# Allegro board 8880F5-0823_RXTX.brd (continued)
## Placement (name value [footprint] x y rotation side) (continued)
NOREF#889  -  []  416.03 179.42 90 top
NOREF#890  -  []  172.08 275.14 90 top
NOREF#891  -  []  166.06 230.19 90 top
NOREF#892  -  []  470.79 128.27 0 top
NOREF#893  -  []  460.93 191.31 90 top
NOREF#894  -  []  308.91 152.34 0 top
NOREF#895  -  []  115.99 130.36 90 top
NOREF#896  -  []  253.4 205.56 90 top
NOREF#897  -  []  385.61 208.66 90 top
NOREF#898  -  []  184.47 233.47 90 top
NOREF#899  -  []  351.04 242.96 0 top
NOREF#900  -  []  317.57 209.63 90 top
NOREF#901  -  []  343.63 223.82 90 top
NOREF#902  -  []  352.55 241.37 0 top
NOREF#903  -  []  383.09 241.11 0 top
NOREF#904  -  []  397.3 209.36 0 top
NOREF#905  -  []  175.7 216.45 90 top
NOREF#906  -  []  415.1 163.64 0 top
NOREF#907  -  []  412.62 249.11 0 top
NOREF#908  -  []  456.04 179.06 0 top
NOREF#909  -  []  352.93 288.86 90 top
NOREF#910  -  []  251.22 193.63 0 top
NOREF#911  -  []  275.3 155.38 0 top
NOREF#912  -  []  313.56 144.34 90 top
NOREF#913  -  []  337.9 186.99 0 top
NOREF#914  -  []  184.47 215.35 90 top
NOREF#915  -  []  217.71 216.09 0 top
NOREF#916  -  []  398.65 289.12 0 top
NOREF#917  -  []  230.73 189.2 0 top
NOREF#918  -  []  253.33 241.33 90 top
NOREF#919  -  []  192.47 175.56 90 top
NOREF#920  -  []  337.09 163.52 90 top
NOREF#921  -  []  107.02 179.19 0 top
NOREF#922  -  []  339.89 288.41 90 top
NOREF#923  -  []  259.97 204.35 90 top
NOREF#924  -  []  333.4 205.55 0 top
NOREF#925  -  []  482.64 192.46 90 top
NOREF#926  -  []  184.47 219.75 90 top
NOREF#927  -  []  290.11 280.1 0 top
NOREF#928  -  []  405.93 256.82 90 top
NOREF#929  -  []  303.84 288.86 0 top
NOREF#930  -  []  336.45 164.74 0 top
NOREF#931  -  []  238.3 163.52 90 top
NOREF#932  -  []  235.85 288.61 90 top
NOREF#933  -  []  367.73 274.38 90 top
NOREF#934  -  []  263.2 172.26 90 top
NOREF#935  -  []  314.33 228.13 90 top
NOREF#936  -  []  117.33 247.35 90 top
NOREF#937  -  []  284.79 272.65 90 top
NOREF#938  -  []  334.29 265.56 90 top
NOREF#939  -  []  259.65 264.65 90 top
NOREF#940  -  []  330.74 224.74 0 top
NOREF#941  -  []  107.18 246.83 90 top
NOREF#942  -  []  423.61 182.42 90 top
NOREF#943  -  []  351.34 189.5 0 top
NOREF#944  -  []  463.61 179.15 0 top
NOREF#945  -  []  330.17 223.82 90 top
NOREF#946  -  []  387.08 154.88 0 top
NOREF#947  -  []  240.94 211.63 90 top
NOREF#948  -  []  310.73 189.2 0 top
NOREF#949  -  []  308.36 262.16 45 top
NOREF#950  -  []  184.47 260.9 90 top
NOREF#951  -  []  331.62 205.55 0 top
NOREF#952  -  []  75.98 290.38 90 top
NOREF#953  -  []  378.33 224.6 90 top
NOREF#954  -  []  336.77 163.82 90 top
NOREF#955  -  []  411.52 146.43 90 top
NOREF#956  -  []  127.7 231.22 0 top
NOREF#957  -  []  456.08 186.77 0 top
NOREF#958  -  []  260.83 174.63 90 top
NOREF#959  -  []  175.7 205.19 90 top
NOREF#960  -  []  310.41 183.09 90 top
NOREF#961  -  []  317.98 163.82 90 top
NOREF#962  -  []  229.21 253.37 0 top
NOREF#963  -  []  247.25 204.35 90 top
NOREF#964  -  []  200.98 258.7 90 top
NOREF#965  -  []  351.34 243.91 0 top
NOREF#966  -  []  301.95 290.13 90 top
NOREF#967  -  []  314.55 286.96 0 top
NOREF#968  -  []  298.13 214.06 90 top
NOREF#969  -  []  234.7 298.51 0 top
NOREF#970  -  []  451.64 179.06 0 top
NOREF#971  -  []  314.33 168.13 90 top
NOREF#972  -  []  419.9 240.56 90 top
NOREF#973  -  []  399.64 144.98 0 top
NOREF#974  -  []  250.17 225.04 90 top
NOREF#975  -  []  415.61 179.97 0 top
NOREF#976  -  []  351.34 249.5 0 top
NOREF#977  -  []  124.35 222.33 0 top
NOREF#978  -  []  103.93 235.64 0 top
NOREF#979  -  []  385.19 232.85 0 top
NOREF#980  -  []  258.2 186.67 0 top
NOREF#981  -  []  304.61 144.34 0 top
NOREF#982  -  []  231.15 219.63 90 top
NOREF#983  -  []  119.99 214.79 0 top
NOREF#984  -  []  302.11 192.14 0 top
NOREF#985  -  []  460.89 217.9 90 top
NOREF#986  -  []  376.23 209.11 0 top
NOREF#987  -  []  352.24 242.32 90 top
NOREF#988  -  []  330.49 163.52 90 top
NOREF#989  -  []  230.83 224.63 0 top
NOREF#990  -  []  352.24 181.05 90 top
NOREF#991  -  []  167.7 165.4 90 top
NOREF#992  -  []  230.73 246.66 0 top
NOREF#993  -  []  230.41 248.88 90 top
NOREF#994  -  []  199.08 254 90 top
NOREF#995  -  []  471.21 211.76 90 top
NOREF#996  -  []  257.9 246.99 0 top
NOREF#997  -  []  342.36 163.82 90 top
NOREF#998  -  []  339.33 204.35 90 top
NOREF#999  -  []  410.52 241.11 0 top
NOREF#1000  -  []  321.82 227.13 90 top
NOREF#1001  -  []  386.33 207.21 90 top
NOREF#1002  -  []  166.06 189.04 90 top
NOREF#1003  -  []  271.82 134.74 90 top
NOREF#1004  -  []  184.47 206.29 90 top
NOREF#1005  -  []  194.09 160.4 90 top
NOREF#1006  -  []  310.73 193.69 0 top
NOREF#1007  -  []  245.15 288.66 90 top
NOREF#1008  -  []  407.77 255.47 0 top
NOREF#1009  -  []  352.25 189.18 90 top
NOREF#1010  -  []  411.99 178.25 90 top
NOREF#1011  -  []  302.11 129.74 0 top
NOREF#1012  -  []  415.61 179.97 90 top
NOREF#1013  -  []  478.57 257.36 90 top
NOREF#1014  -  []  201.23 204.09 90 top
NOREF#1015  -  []  463.61 171.53 0 top
NOREF#1016  -  []  330.73 265.56 0 top
NOREF#1017  -  []  383.73 202.38 90 top
NOREF#1018  -  []  116.27 171.02 0 top
NOREF#1019  -  []  377.23 241.16 90 top
NOREF#1020  -  []  379.48 239.21 90 top
NOREF#1021  -  []  272.25 243.59 90 top
NOREF#1022  -  []  406.19 188.15 0 top
NOREF#1023  -  []  249.13 140.14 0 top
NOREF#1024  -  []  175.7 250.38 90 top
NOREF#1025  -  []  251.06 223.82 90 top
NOREF#1026  -  []  230.73 183.41 0 top
NOREF#1027  -  []  215.96 237.06 0 top
NOREF#1028  -  []  271.04 249.18 0 top
NOREF#1029  -  []  385.19 249.11 0 top
NOREF#1030  -  []  310.43 246.34 0 top
NOREF#1031  -  []  375.22 163.39 0 top
NOREF#1032  -  []  271.34 249.5 0 top
NOREF#1033  -  []  419.9 288.57 90 top
NOREF#1034  -  []  473.79 239.64 0 top
NOREF#1035  -  []  279.27 288.86 0 top
NOREF#1036  -  []  256.77 225.04 90 top
NOREF#1037  -  []  339.33 205.55 0 top
NOREF#1038  -  []  310.43 194.01 0 top
NOREF#1039  -  []  230.43 253.37 0 top
NOREF#1040  -  []  378.33 257.11 90 top
NOREF#1041  -  []  251.06 165.04 90 top
NOREF#1042  -  []  415.61 181.32 90 top
NOREF#1043  -  []  327.25 265.56 0 top
NOREF#1044  -  []  369.38 241.11 0 top
NOREF#1045  -  []  379 272.56 90 top
NOREF#1046  -  []  351.04 184.23 0 top
NOREF#1047  -  []  390.53 188.15 0 top
NOREF#1048  -  []  249.15 296.86 0 top
NOREF#1049  -  []  259.33 205.55 0 top
NOREF#1050  -  []  310.73 187.93 0 top
NOREF#1051  -  []  387.08 188.15 0 top
NOREF#1052  -  []  405.93 256.92 90 top
NOREF#1053  -  []  451.68 171.53 0 top
NOREF#1054  -  []  175.8 147.18 90 top
NOREF#1055  -  []  295.96 237.06 0 top
NOREF#1056  -  []  379.48 255.21 90 top
NOREF#1057  -  []  237.66 164.74 0 top
NOREF#1058  -  []  229.51 243.41 0 top
NOREF#1059  -  []  271.04 241.69 0 top
NOREF#1060  -  []  256.45 164.74 0 top
NOREF#1061  -  []  382.82 163.39 0 top
NOREF#1062  -  []  273.09 288.41 90 top
NOREF#1063  -  []  260.99 135.19 90 top
NOREF#1064  -  []  518.38 273.87 90 top
NOREF#1065  -  []  252.83 265.86 90 top
NOREF#1066  -  []  328.96 224.72 0 top
NOREF#1067  -  []  201.49 178.86 90 top
NOREF#1068  -  []  209.23 246.08 90 top
NOREF#1069  -  []  348.28 296.86 0 top
NOREF#1070  -  []  329.28 165.04 90 top
NOREF#1071  -  []  275.12 271.65 90 top
NOREF#1072  -  []  201.49 159.65 90 top
NOREF#1073  -  []  330.18 182.88 0 top
NOREF#1074  -  []  167.7 136.27 90 top
NOREF#1075  -  []  378.75 256.56 90 top
NOREF#1076  -  []  351.04 189.18 0 top
NOREF#1077  -  []  188.08 291.65 90 top
NOREF#1078  -  []  369.38 224.6 0 top
NOREF#1079  -  []  468.01 171.53 0 top
NOREF#1080  -  []  118.45 239.39 0 top
NOREF#1081  -  []  272.24 249.18 90 top
NOREF#1082  -  []  339.33 265.55 0 top
NOREF#1083  -  []  391.8 209.36 0 top
NOREF#1084  -  []  247.25 265.56 0 top
NOREF#1085  -  []  230.43 189.52 0 top
NOREF#1086  -  []  398.65 209.36 90 top
NOREF#1087  -  []  412.24 144.98 90 top
NOREF#1088  -  []  192.57 147.18 90 top
NOREF#1089  -  []  459.28 168.33 0 top
NOREF#1090  -  []  376.23 209.11 0 top
NOREF#1091  -  []  327.25 205.55 0 top
NOREF#1092  -  []  332.83 205.86 90 top
NOREF#1093  -  []  262.68 224.74 90 top
NOREF#1094  -  []  352.25 181.69 0 top
NOREF#1095  -  []  118.7 190.55 90 top
NOREF#1096  -  []  107.02 174.04 90 top
NOREF#1097  -  []  272.8 157.28 0 top
NOREF#1098  -  []  351.04 244.23 0 top
NOREF#1099  -  []  254.61 264.65 90 top
NOREF#1100  -  []  182.57 158.5 90 top
NOREF#1101  -  []  230.43 193.37 90 top
NOREF#1102  -  []  166.06 135.19 90 top
NOREF#1103  -  []  397.8 163.09 90 top
NOREF#1104  -  []  263.83 171.63 90 top
NOREF#1105  -  []  175.7 177.76 90 top
NOREF#1106  -  []  239.33 176.03 90 top
NOREF#1107  -  []  327.15 286.96 90 top
NOREF#1108  -  []  377.23 224.65 90 top
NOREF#1109  -  []  257.08 132.19 90 top
NOREF#1110  -  []  317.83 257.63 0 top
NOREF#1111  -  []  392.47 240.66 90 top
NOREF#1112  -  []  263.95 164.74 90 top
NOREF#1113  -  []  415.1 163.64 0 top
NOREF#1114  -  []  127.55 219.13 90 top
NOREF#1115  -  []  319.33 183.63 90 top
NOREF#1116  -  []  209.49 148.63 90 top
NOREF#1117  -  []  247.25 205.55 0 top
NOREF#1118  -  []  192.57 215.25 90 top
NOREF#1119  -  []  472.86 174.55 90 top
NOREF#1120  -  []  261.63 255.43 90 top
NOREF#1121  -  []  254.29 204.35 90 top
NOREF#1122  -  []  175.7 222.95 90 top
NOREF#1123  -  []  272.55 245.18 0 top
NOREF#1124  -  []  106.76 217.73 90 top
NOREF#1125  -  []  298.49 288.91 90 top
NOREF#1126  -  []  296.81 275.94 0 top
NOREF#1127  -  []  262.04 224.74 0 top
NOREF#1128  -  []  310.41 243.09 90 top
NOREF#1129  -  []  107.02 171.57 0 top
NOREF#1130  -  []  218.16 237.06 0 top
NOREF#1131  -  []  201.66 240.88 90 top
NOREF#1132  -  []  208.98 257.6 90 top
NOREF#1133  -  []  390.53 180.15 0 top
NOREF#1134  -  []  127.95 195.15 0 top
NOREF#1135  -  []  209.23 189.02 90 top
NOREF#1136  -  []  332.51 265.55 0 top
NOREF#1137  -  []  122.19 214.79 0 top
NOREF#1138  -  []  386.53 164.91 90 top
NOREF#1139  -  []  331.94 265.86 90 top
NOREF#1140  -  []  471.11 230.2 0 top
NOREF#1141  -  []  272.25 244.23 0 top
NOREF#1142  -  []  392.47 288.67 90 top
NOREF#1143  -  []  343.31 224.74 0 top
NOREF#1144  -  []  93.02 247.21 90 top
NOREF#1145  -  []  450.03 191.31 0 top
NOREF#1146  -  []  387.39 265.11 0 top
NOREF#1147  -  []  272.25 249.82 0 top
NOREF#1148  -  []  333.4 204.35 90 top
NOREF#1149  -  []  328.42 129.74 90 top
NOREF#1150  -  []  229.51 247.93 0 top
NOREF#1151  -  []  229.21 187.61 0 top
NOREF#1152  -  []  310.43 243.09 0 top
NOREF#1153  -  []  248.96 164.72 0 top
NOREF#1154  -  []  105.83 190.55 90 top
NOREF#1155  -  []  194.09 214.75 90 top
NOREF#1156  -  []  449.99 174.46 0 top
NOREF#1157  -  []  352.25 183.59 90 top
NOREF#1158  -  []  304.61 131.64 0 top
NOREF#1159  -  []  346.27 135.17 90 top
NOREF#1160  -  []  398.65 281.11 0 top
NOREF#1161  -  []  303.56 185.29 90 top
NOREF#1162  -  []  331.62 265.55 0 top
NOREF#1163  -  []  110.47 178.64 0 top
NOREF#1164  -  []  388.43 180.15 0 top
NOREF#1165  -  []  376.23 209.11 0 top
NOREF#1166  -  []  221.56 182.89 0 top
NOREF#1167  -  []  119.95 187.53 0 top
NOREF#1168  -  []  254.61 204.65 90 top
NOREF#1169  -  []  395.2 297.12 0 top
NOREF#1170  -  []  200.98 256.5 90 top
NOREF#1171  -  []  415.6 146.88 0 top
NOREF#1172  -  []  281.47 296.86 0 top
NOREF#1173  -  []  263.63 163.82 90 top
NOREF#1174  -  []  327.89 264.35 90 top
NOREF#1175  -  []  155.57 275.14 90 top
NOREF#1176  -  []  229.21 246.34 0 top
NOREF#1177  -  []  518.38 259.9 90 top
NOREF#1178  -  []  400.85 265.37 0 top
NOREF#1179  -  []  395.2 233.11 0 top
NOREF#1180  -  []  115.36 235.64 0 top
NOREF#1181  -  []  221.56 242.89 0 top
NOREF#1182  -  []  222.11 252.14 0 top
NOREF#1183  -  []  192.47 259.8 90 top
NOREF#1184  -  []  199.08 254 0 top
NOREF#1185  -  []  330.73 205.55 0 top
NOREF#1186  -  []  184.47 241.43 0 top
NOREF#1187  -  []  420.37 255.47 90 top
NOREF#1188  -  []  166.06 216.47 90 top
NOREF#1189  -  []  165.8 199.39 90 top
NOREF#1190  -  []  167.7 247.18 90 top
NOREF#1191  -  []  201.23 219.75 90 top
NOREF#1192  -  []  403.99 180.15 0 top
NOREF#1193  -  []  378.33 209.11 0 top
NOREF#1194  -  []  383.09 257.11 0 top
NOREF#1195  -  []  309.51 247.93 0 top
NOREF#1196  -  []  310.73 243.41 0 top
NOREF#1197  -  []  330.74 224.72 0 top
NOREF#1198  -  []  66.26 290.38 90 top
NOREF#1199  -  []  36.1 131.91 0 top
NOREF#1200  -  []  199.84 162.12 90 top
NOREF#1201  -  []  332.51 205.55 0 top
NOREF#1202  -  []  342.08 290.13 90 top
NOREF#1203  -  []  451.68 239.34 0 top
NOREF#1204  -  []  226.83 209.63 90 top
NOREF#1205  -  []  272.55 189.5 0 top
NOREF#1206  -  []  221.56 171.46 0 top
NOREF#1207  -  []  230.41 188.88 90 top
NOREF#1208  -  []  409.74 180.2 90 top
NOREF#1209  -  []  475.04 239.09 0 top
NOREF#1210  -  []  453.88 171.53 0 top
NOREF#1211  -  []  390.69 289.12 0 top
NOREF#1212  -  []  219.81 273.69 90 top
NOREF#1213  -  []  286.55 288.31 90 top
NOREF#1214  -  []  175.7 218.65 90 top
NOREF#1215  -  []  395.2 265.37 0 top
NOREF#1216  -  []  451.68 195.91 0 top
NOREF#1217  -  []  253.4 205.56 0 top
NOREF#1218  -  []  165.8 171.96 90 top
NOREF#1219  -  []  415.61 183.52 90 top
NOREF#1220  -  []  472.86 210.36 90 top
NOREF#1221  -  []  296.96 192.14 0 top
NOREF#1222  -  []  230.43 183.09 90 top
NOREF#1223  -  []  295.96 188.49 0 top
NOREF#1224  -  []  339.33 265.56 0 top
NOREF#1225  -  []  412.62 241.11 0 top
NOREF#1226  -  []  246.63 130.24 90 top
NOREF#1227  -  []  404.4 225.16 90 top
NOREF#1228  -  []  369.38 257.11 0 top
NOREF#1229  -  []  201.23 233.47 90 top
NOREF#1230  -  []  286.12 288.86 90 top
NOREF#1231  -  []  327.57 264.65 90 top
NOREF#1232  -  []  209.49 155.13 90 top
NOREF#1233  -  []  308.14 296.86 0 top
NOREF#1234  -  []  391.8 217.36 0 top
NOREF#1235  -  []  249.85 224.74 0 top
NOREF#1236  -  []  339.33 205.55 0 top
NOREF#1237  -  []  453.88 186.77 0 top
NOREF#1238  -  []  168.69 273.5 90 top
NOREF#1239  -  []  209.49 150.83 90 top
NOREF#1240  -  []  254.61 265.86 90 top
NOREF#1241  -  []  467.51 186.77 0 top
NOREF#1242  -  []  331.62 265.56 0 top
NOREF#1243  -  []  414.82 281.37 0 top
NOREF#1244  -  []  201.91 159.1 90 top
NOREF#1245  -  []  256.77 165.04 90 top
NOREF#1246  -  []  165.8 131.57 90 top
NOREF#1247  -  []  121.9 238.84 0 top
NOREF#1248  -  []  373.87 188.15 0 top
NOREF#1249  -  []  333.4 205.56 0 top
NOREF#1250  -  []  418.38 131.89 0 top
NOREF#1251  -  []  418.37 289.17 90 top
NOREF#1252  -  []  420.15 131.34 90 top
NOREF#1253  -  []  122.15 195.15 0 top
NOREF#1254  -  []  249.6 164.74 90 top
NOREF#1255  -  []  120.24 171.1 0 top
NOREF#1256  -  []  331.05 205.86 90 top
NOREF#1257  -  []  263.2 232.26 90 top
NOREF#1258  -  []  471.21 168.33 90 top
NOREF#1259  -  []  240.83 254.63 0 top
NOREF#1260  -  []  400.54 188.15 0 top
NOREF#1261  -  []  467.51 230.2 0 top
NOREF#1262  -  []  201.23 247.18 90 top
NOREF#1263  -  []  406.65 255.47 90 top
NOREF#1264  -  []  218.13 274.06 90 top
NOREF#1265  -  []  277.5 155.38 0 top
NOREF#1266  -  []  380.53 217.11 0 top
NOREF#1267  -  []  392.47 272.66 90 top
NOREF#1268  -  []  319.33 236.03 0 top
NOREF#1269  -  []  327.7 131.19 90 top
NOREF#1270  -  []  271.04 242.96 0 top
NOREF#1271  -  []  462.06 277.31 90 top
NOREF#1272  -  []  251.62 264.35 90 top
NOREF#1273  -  []  450.03 234.74 0 top
NOREF#1274  -  []  182.57 254 90 top
NOREF#1275  -  []  450.03 182.17 0 top
NOREF#1276  -  []  465.45 273.87 90 top
NOREF#1277  -  []  396.55 289.12 0 top
NOREF#1278  -  []  485.36 289.48 90 top
NOREF#1279  -  []  251.33 140.14 0 top
NOREF#1280  -  []  262.68 164.74 90 top
NOREF#1281  -  []  167.7 138.47 90 top
NOREF#1282  -  []  310.43 249.52 0 top
NOREF#1283  -  []  298.24 288.86 0 top
NOREF#1284  -  []  463.61 222.58 0 top
NOREF#1285  -  []  337.9 246.35 90 top
NOREF#1286  -  []  175.7 246.08 90 top
NOREF#1287  -  []  271.34 185.18 0 top
NOREF#1288  -  []  327.57 265.86 90 top
NOREF#1289  -  []  396.55 289.12 0 top
NOREF#1290  -  []  351.04 249.18 0 top
NOREF#1291  -  []  453.84 179.06 0 top
NOREF#1292  -  []  388.43 146.88 0 top
NOREF#1293  -  []  230.73 249.2 0 top
NOREF#1294  -  []  236.27 289.16 90 top
NOREF#1295  -  []  351.04 185.5 0 top
NOREF#1296  -  []  405.93 224.56 90 top
NOREF#1297  -  []  405.51 209.61 0 top
NOREF#1298  -  []  279.7 155.38 0 top
NOREF#1299  -  []  237.2 296.61 0 top
NOREF#1300  -  []  310.43 253.37 90 top
NOREF#1301  -  []  459.28 211.76 0 top
NOREF#1302  -  []  184.47 227.72 90 top
NOREF#1303  -  []  273.95 147.38 90 top
NOREF#1304  -  []  230.41 246.34 90 top
NOREF#1305  -  []  199.59 243.9 90 top
NOREF#1306  -  []  384.59 179.6 90 top
NOREF#1307  -  []  465.81 222.58 0 top
NOREF#1308  -  []  273.09 288.31 90 top
NOREF#1309  -  []  408.63 290.39 90 top
NOREF#1310  -  []  390.34 192.28 0 top
NOREF#1311  -  []  217.41 273.24 0 top
NOREF#1312  -  []  167.7 231.27 90 top
NOREF#1313  -  []  463.11 186.77 0 top
NOREF#1314  -  []  392.04 224.85 90 top
NOREF#1315  -  []  201.4 254.6 90 top
NOREF#1316  -  []  383.73 195.88 90 top
NOREF#1317  -  []  253.4 265.56 0 top
NOREF#1318  -  []  501.87 273.87 90 top
NOREF#1319  -  []  331.38 224.74 90 top
NOREF#1320  -  []  393.19 255.21 90 top
NOREF#1321  -  []  155.57 289.11 90 top
NOREF#1322  -  []  375.22 180.15 0 top
NOREF#1323  -  []  410.52 273.37 0 top
NOREF#1324  -  []  482.64 235.89 90 top
NOREF#1325  -  []  392.66 192.88 90 top
NOREF#1326  -  []  366.88 239.21 0 top
NOREF#1327  -  []  343.95 163.52 90 top
NOREF#1328  -  []  388.43 163.64 0 top
NOREF#1329  -  []  373.68 249.11 0 top
NOREF#1330  -  []  414.82 297.12 0 top
NOREF#1331  -  []  371.48 224.6 0 top
NOREF#1332  -  []  184.47 255.15 0 top
NOREF#1333  -  []  232.25 271.67 90 top
NOREF#1334  -  []  256.77 223.82 90 top
NOREF#1335  -  []  167.7 165.4 90 top
NOREF#1336  -  []  192.57 256.4 90 top
NOREF#1337  -  []  392.21 131.94 90 top
NOREF#1338  -  []  399.39 178.25 0 top
NOREF#1339  -  []  377.32 171.39 0 top
NOREF#1340  -  []  405.93 240.66 90 top
NOREF#1341  -  []  330.49 223.52 90 top
NOREF#1342  -  []  229.05 271.67 0 top
NOREF#1343  -  []  201.66 227.17 90 top
NOREF#1344  -  []  252.51 265.56 0 top
NOREF#1345  -  []  192.47 257.6 90 top
NOREF#1346  -  []  392.47 272.56 90 top
NOREF#1347  -  []  397.38 146.88 90 top
NOREF#1348  -  []  388.43 180.15 0 top
NOREF#1349  -  []  381.74 232.85 0 top
NOREF#1350  -  []  397.57 131.89 0 top
NOREF#1351  -  []  185.2 276.04 90 top
NOREF#1352  -  []  265.64 135.19 0 top
NOREF#1353  -  []  343.83 231.63 90 top
NOREF#1354  -  []  390.53 154.88 0 top
NOREF#1355  -  []  122.19 247.3 90 top
NOREF#1356  -  []  175.8 242.68 90 top
NOREF#1357  -  []  252.6 296.86 0 top
NOREF#1358  -  []  400.91 207.71 0 top
NOREF#1359  -  []  341.63 195.43 90 top
NOREF#1360  -  []  209.33 201.79 90 top
NOREF#1361  -  []  409.49 163.64 0 top
NOREF#1362  -  []  277.17 288.86 0 top
NOREF#1363  -  []  165.8 212.85 0 top
NOREF#1364  -  []  425.2 161.74 90 top
NOREF#1365  -  []  420.15 131.44 90 top
NOREF#1366  -  []  209.23 202.99 90 top
NOREF#1367  -  []  406.65 239.21 90 top
NOREF#1368  -  []  319.15 288.86 0 top
NOREF#1369  -  []  271.34 189.5 0 top
NOREF#1370  -  []  461.96 174.55 0 top
NOREF#1371  -  []  312.21 131.64 0 top
NOREF#1372  -  []  398.53 161.74 90 top
NOREF#1373  -  []  155.57 291.65 90 top
NOREF#1374  -  []  309.51 193.69 0 top
NOREF#1375  -  []  318.45 197.01 0 top
NOREF#1376  -  []  237.83 197.63 0 top
NOREF#1377  -  []  395.67 133.16 90 top
NOREF#1378  -  []  343.95 224.74 90 top
NOREF#1379  -  []  124.61 178.64 0 top
NOREF#1380  -  []  271.04 185.5 0 top
NOREF#1381  -  []  403.41 209.61 0 top
NOREF#1382  -  []  310.43 193.37 0 top
NOREF#1383  -  []  194.09 242.18 90 top
NOREF#1384  -  []  465.81 179.15 0 top
NOREF#1385  -  []  237.83 257.63 0 top
NOREF#1386  -  []  268.01 296.86 0 top
NOREF#1387  -  []  459.28 236.14 0 top
NOREF#1388  -  []  390.69 241.11 0 top
NOREF#1389  -  []  398.65 241.11 0 top
NOREF#1390  -  []  184.47 192.32 90 top
NOREF#1391  -  []  328.33 247.93 0 top
NOREF#1392  -  []  224.65 271.67 0 top
NOREF#1393  -  []  412.62 273.37 0 top
NOREF#1394  -  []  342.04 164.72 0 top
NOREF#1395  -  []  248.96 224.74 0 top
NOREF#1396  -  []  417.7 154.88 0 top
NOREF#1397  -  []  408.28 129.99 0 top
NOREF#1398  -  []  383.09 241.11 0 top
NOREF#1399  -  []  199.33 226.57 90 top
NOREF#1400  -  []  253.33 181.33 90 top
NOREF#1401  -  []  400.85 249.11 0 top
NOREF#1402  -  []  302.11 252.14 0 top
NOREF#1403  -  []  272.25 189.82 0 top
NOREF#1404  -  []  354.27 138.37 90 top
NOREF#1405  -  []  94.68 234.24 0 top
NOREF#1406  -  []  222.11 240.71 0 top
NOREF#1407  -  []  263.31 224.72 0 top
NOREF#1408  -  []  263.95 163.52 90 top
NOREF#1409  -  []  182.57 254 0 top
NOREF#1410  -  []  310.43 246.34 90 top
NOREF#1411  -  []  418.12 289.12 0 top
NOREF#1412  -  []  184.47 214 90 top
NOREF#1413  -  []  184.89 240.88 90 top
NOREF#1414  -  []  108.27 178.64 0 top
NOREF#1415  -  []  451.68 230.2 0 top
NOREF#1416  -  []  192.47 189.02 90 top
NOREF#1417  -  []  369.63 289.12 0 top
NOREF#1418  -  []  378.75 240.66 90 top
NOREF#1419  -  []  394.66 226.38 90 top
NOREF#1420  -  []  127.7 238.84 0 top
NOREF#1421  -  []  306.27 156.63 90 top
NOREF#1422  -  []  330.17 225.04 90 top
NOREF#1423  -  []  392.24 199.18 90 top
NOREF#1424  -  []  413.71 178.82 0 top
NOREF#1425  -  []  459.28 192.71 0 top
NOREF#1426  -  []  263.85 273.37 90 top
NOREF#1427  -  []  184.47 244.98 90 top
NOREF#1428  -  []  201.23 217.55 90 top
NOREF#1429  -  []  247.25 265.55 0 top
NOREF#1430  -  []  251.94 265.86 90 top
NOREF#1431  -  []  369.38 241.11 0 top
NOREF#1432  -  []  290.64 288.86 0 top
NOREF#1433  -  []  201.23 214 90 top
NOREF#1434  -  []  221.56 231.46 0 top
NOREF#1435  -  []  128.05 271.33 90 top
NOREF#1436  -  []  192.57 187.82 90 top
NOREF#1437  -  []  192.47 191.22 90 top
NOREF#1438  -  []  306.71 144.34 0 top
NOREF#1439  -  []  251.38 163.52 90 top
NOREF#1440  -  []  182.57 212.85 0 top
NOREF#1441  -  []  374.34 210.38 90 top
NOREF#1442  -  []  221.87 295.91 0 top
NOREF#1443  -  []  118.7 195.7 0 top
NOREF#1444  -  []  317.66 164.72 0 top
NOREF#1445  -  []  471.21 175.95 0 top
NOREF#1446  -  []  259.84 145.09 0 top
NOREF#1447  -  []  351.83 288.91 90 top
NOREF#1448  -  []  98.53 238.84 0 top
NOREF#1449  -  []  167.7 151.68 90 top
NOREF#1450  -  []  184.47 242.78 90 top
NOREF#1451  -  []  374.08 195.9 90 top
NOREF#1452  -  []  194.09 146.68 90 top
NOREF#1453  -  []  118.33 271.33 90 top
NOREF#1454  -  []  393.74 131.34 90 top
NOREF#1455  -  []  414.25 154.88 0 top
NOREF#1456  -  []  295.96 188.49 0 top
NOREF#1457  -  []  271.56 288.91 90 top
NOREF#1458  -  []  223.56 245.29 90 top
NOREF#1459  -  []  22.16 130.26 90 top
NOREF#1460  -  []  124.1 238.84 0 top
NOREF#1461  -  []  185.2 273.5 90 top
NOREF#1462  -  []  399.67 131.89 0 top
NOREF#1463  -  []  330.51 288.86 0 top
NOREF#1464  -  []  413.71 148.15 90 top
NOREF#1465  -  []  220.36 237.06 0 top
NOREF#1466  -  []  167.7 192.32 90 top
NOREF#1467  -  []  230.73 193.69 0 top
NOREF#1468  -  []  254.29 205.55 0 top
NOREF#1469  -  []  246.67 288.16 90 top
NOREF#1470  -  []  413.71 178.82 90 top
NOREF#1471  -  []  453.88 230.2 0 top
NOREF#1472  -  []  396.55 257.37 0 top
NOREF#1473  -  []  460.93 225.6 90 top
NOREF#1474  -  []  346.27 132.97 90 top
NOREF#1475  -  []  182.82 189.04 90 top
NOREF#1476  -  []  418.12 241.11 0 top
NOREF#1477  -  []  385.19 297.12 0 top
NOREF#1478  -  []  318.45 257.01 0 top
NOREF#1479  -  []  165.8 199.39 0 top
NOREF#1480  -  []  184.47 173.11 90 top
NOREF#1481  -  []  184.47 145.93 90 top
NOREF#1482  -  []  332.51 264.35 90 top
NOREF#1483  -  []  384.59 179.7 90 top
NOREF#1484  -  []  331.62 204.35 90 top
NOREF#1485  -  []  167.7 229.07 90 top
NOREF#1486  -  []  237.98 225.04 90 top
NOREF#1487  -  []  382.47 133.16 90 top
NOREF#1488  -  []  352.24 249.18 90 top
NOREF#1489  -  []  11.6 261.68 90 top
NOREF#1490  -  []  230.43 248.88 0 top
NOREF#1491  -  []  329.28 163.82 90 top
NOREF#1492  -  []  425.23 180.72 90 top
NOREF#1493  -  []  401.89 163.64 0 top
NOREF#1494  -  []  412.37 257.37 0 top
NOREF#1495  -  []  184.47 200.54 0 top
NOREF#1496  -  []  320.83 254.63 0 top
NOREF#1497  -  []  398.65 249.11 0 top
NOREF#1498  -  []  405.93 288.67 90 top
NOREF#1499  -  []  271.04 189.18 0 top
NOREF#1500  -  []  384.36 131.89 0 top
NOREF#1501  -  []  106.18 160.58 90 top
NOREF#1502  -  []  104.18 191.95 0 top
NOREF#1503  -  []  201.21 276.04 90 top
NOREF#1504  -  []  234.33 228.13 90 top
NOREF#1505  -  []  390.94 241.16 90 top
NOREF#1506  -  []  201.49 176.66 90 top
NOREF#1507  -  []  475.36 127 90 top
NOREF#1508  -  []  351.34 189.5 0 top
NOREF#1509  -  []  401.87 194.18 90 top
NOREF#1510  -  []  254.29 205.56 0 top
NOREF#1511  -  []  209.23 243.88 90 top
NOREF#1512  -  []  302.71 145.61 90 top
NOREF#1513  -  []  250.23 132.14 0 top
NOREF#1514  -  []  168.69 290.01 90 top
NOREF#1515  -  []  229.51 187.93 0 top
NOREF#1516  -  []  259.33 264.35 90 top
NOREF#1517  -  []  209.23 205.19 90 top
NOREF#1518  -  []  165.8 226.57 0 top
NOREF#1519  -  []  398.53 178.25 90 top
NOREF#1520  -  []  192.57 201.79 90 top
NOREF#1521  -  []  396.55 257.37 0 top
NOREF#1522  -  []  424.47 163.09 90 top
NOREF#1523  -  []  167.7 173.11 0 top
NOREF#1524  -  []  201.23 244.98 90 top
NOREF#1525  -  []  192.47 232.37 90 top
NOREF#1526  -  []  175.7 257.6 90 top
NOREF#1527  -  []  167.7 258.7 90 top
NOREF#1528  -  []  405.42 131.94 90 top
NOREF#1529  -  []  237.98 223.82 90 top
NOREF#1530  -  []  419.9 288.67 90 top
NOREF#1531  -  []  230.43 253.37 90 top
NOREF#1532  -  []  342.04 224.72 0 top
NOREF#1533  -  []  184.47 159.65 0 top
NOREF#1534  -  []  392.47 288.57 90 top
NOREF#1535  -  []  175.8 187.82 90 top
NOREF#1536  -  []  330.17 165.04 90 top
NOREF#1537  -  []  272.25 242.96 0 top
NOREF#1538  -  []  385.93 178.25 0 top
NOREF#1539  -  []  461.96 210.36 0 top
NOREF#1540  -  []  295.96 177.06 0 top
NOREF#1541  -  []  271.04 245.5 0 top
NOREF#1542  -  []  222.67 298 90 top
NOREF#1543  -  []  310.43 187.61 90 top
NOREF#1544  -  []  310.83 224.63 0 top
NOREF#1545  -  []  167.7 190.12 90 top
NOREF#1546  -  []  331.05 204.65 90 top
NOREF#1547  -  []  352.55 182.64 0 top
NOREF#1548  -  []  353.35 288.31 90 top
NOREF#1549  -  []  471.21 219.38 0 top
NOREF#1550  -  []  402.14 146.88 0 top
NOREF#1551  -  []  230.41 183.09 90 top
NOREF#1552  -  []  260.83 234.63 90 top
NOREF#1553  -  []  304.61 144.34 0 top
NOREF#1554  -  []  332.83 204.65 90 top
NOREF#1555  -  []  398.65 257.37 0 top
NOREF#1556  -  []  251.62 205.56 0 top
NOREF#1557  -  []  168.69 276.04 90 top
NOREF#1558  -  []  401.52 210.88 90 top
NOREF#1559  -  []  468.85 257.36 90 top
NOREF#1560  -  []  110.21 195.15 0 top
NOREF#1561  -  []  479.44 195.66 0 top
NOREF#1562  -  []  256.73 132.14 0 top
NOREF#1563  -  []  320.42 131.64 0 top
NOREF#1564  -  []  329.6 164.74 90 top
NOREF#1565  -  []  184.47 174.46 90 top
NOREF#1566  -  []  215.96 188.49 0 top
NOREF#1567  -  []  468.01 214.96 0 top
NOREF#1568  -  []  177.33 242.18 90 top
NOREF#1569  -  []  383.09 257.11 0 top
NOREF#1570  -  []  383.07 163.44 90 top
NOREF#1571  -  []  451.68 214.96 0 top
NOREF#1572  -  []  272.25 183.59 90 top
NOREF#1573  -  []  201.49 151.93 90 top
NOREF#1574  -  []  117.26 190.55 90 top
NOREF#1575  -  []  309.21 187.61 0 top
NOREF#1576  -  []  320.94 151.63 90 top
NOREF#1577  -  []  333.72 265.86 90 top
NOREF#1578  -  []  339.65 204.65 90 top
NOREF#1579  -  []  352.24 249.18 90 top
NOREF#1580  -  []  263.31 164.74 0 top
NOREF#1581  -  []  310.43 188.88 0 top
NOREF#1582  -  []  184.89 159.1 90 top
NOREF#1583  -  []  310.43 189.52 0 top
NOREF#1584  -  []  352.25 182.32 90 top
NOREF#1585  -  []  249.28 223.82 90 top
NOREF#1586  -  []  327.25 205.56 90 top
NOREF#1587  -  []  408.88 133.16 90 top
NOREF#1588  -  []  184.47 260.9 90 top
NOREF#1589  -  []  402.14 146.88 0 top
NOREF#1590  -  []  461.86 182.17 90 top
NOREF#1591  -  []  118.96 179.19 0 top
NOREF#1592  -  []  418.12 257.42 90 top
NOREF#1593  -  []  319.33 243.63 90 top
NOREF#1594  -  []  473.79 196.21 0 top
NOREF#1595  -  []  268.94 272.1 0 top
NOREF#1596  -  []  201.91 172.56 90 top
NOREF#1597  -  []  380.59 287.22 0 top
NOREF#1598  -  []  398.65 233.11 0 top
NOREF#1599  -  []  209.49 175.56 90 top
NOREF#1600  -  []  330.49 224.74 90 top
NOREF#1601  -  []  201.49 146.18 0 top
NOREF#1602  -  []  393.19 239.21 90 top
NOREF#1603  -  []  226.27 216.63 90 top
NOREF#1604  -  []  377.23 289.12 0 top
NOREF#1605  -  []  330.73 204.35 90 top
NOREF#1606  -  []  230.43 247.61 0 top
NOREF#1607  -  []  201.23 186.57 0 top
NOREF#1608  -  []  311.15 219.63 90 top
NOREF#1609  -  []  184.89 172.56 90 top
NOREF#1610  -  []  192.47 177.76 90 top
NOREF#1611  -  []  247.57 264.65 90 top
NOREF#1612  -  []  167.7 132.72 90 top
NOREF#1613  -  []  175.7 150.58 90 top
NOREF#1614  -  []  271.04 249.82 0 top
NOREF#1615  -  []  259.33 205.56 0 top
NOREF#1616  -  []  456.08 214.96 0 top
NOREF#1617  -  []  390.69 224.85 0 top
NOREF#1618  -  []  460.93 234.74 90 top
NOREF#1619  -  []  260.6 286.96 90 top
NOREF#1620  -  []  192.57 174.36 90 top
NOREF#1621  -  []  451.68 186.77 0 top
NOREF#1622  -  []  175.7 264.1 90 top
NOREF#1623  -  []  275.82 296.86 0 top
NOREF#1624  -  []  453.84 222.5 0 top
NOREF#1625  -  []  352.55 249.5 0 top
NOREF#1626  -  []  456.08 195.91 0 top
NOREF#1627  -  []  331.05 264.65 90 top
NOREF#1628  -  []  175.7 148.38 90 top
NOREF#1629  -  []  346.69 128.87 90 top
NOREF#1630  -  []  201.49 173.11 0 top
NOREF#1631  -  []  289.01 272.1 0 top
NOREF#1632  -  []  309.21 243.09 0 top
NOREF#1633  -  []  209.23 191.22 90 top
NOREF#1634  -  []  351.04 189.82 0 top
NOREF#1635  -  []  327.25 265.56 90 top
NOREF#1636  -  []  405.93 224.66 90 top
NOREF#1637  -  []  394.66 258.64 90 top
NOREF#1638  -  []  417.2 163.64 0 top
NOREF#1639  -  []  385.36 194.18 90 top
NOREF#1640  -  []  451.68 171.53 0 top
NOREF#1641  -  []  262.36 296.86 0 top
NOREF#1642  -  []  450.03 166.93 0 top
NOREF#1643  -  []  192.47 148.38 90 top
NOREF#1644  -  []  518.38 257.36 90 top
NOREF#1645  -  []  390.69 273.11 0 top
NOREF#1646  -  []  184.47 192.32 90 top
NOREF#1647  -  []  259.33 265.55 0 top
NOREF#1648  -  []  254.29 205.56 90 top
NOREF#1649  -  []  262.36 225.04 90 top
NOREF#1650  -  []  248 286.96 0 top
NOREF#1651  -  []  395.2 281.11 0 top
NOREF#1652  -  []  241.82 227.13 90 top
NOREF#1653  -  []  352.25 244.86 90 top
NOREF#1654  -  []  397.8 163.19 90 top
NOREF#1655  -  []  397.38 180.15 90 top
NOREF#1656  -  []  330.73 205.56 90 top
NOREF#1657  -  []  308.91 139.64 0 top
NOREF#1658  -  []  393.19 287.22 90 top
NOREF#1659  -  []  327.25 205.56 0 top
NOREF#1660  -  []  165.8 158.5 90 top
NOREF#1661  -  []  330.51 288.86 0 top
NOREF#1662  -  []  375.73 199.18 90 top
NOREF#1663  -  []  194.09 228.47 90 top
NOREF#1664  -  []  272.55 241.37 0 top
NOREF#1665  -  []  239.4 296.61 0 top
NOREF#1666  -  []  118.7 188.08 0 top
NOREF#1667  -  []  399.67 139.89 0 top
NOREF#1668  -  []  230.43 186.34 0 top
NOREF#1669  -  []  167.7 151.68 90 top
NOREF#1670  -  []  290.64 288.86 0 top
NOREF#1671  -  []  106.76 222.88 0 top
NOREF#1672  -  []  383.09 273.11 0 top
NOREF#1673  -  []  419.22 257.37 90 top
NOREF#1674  -  []  328.01 286.96 0 top
NOREF#1675  -  []  273.95 155.38 0 top
NOREF#1676  -  []  101.29 247.16 90 top
NOREF#1677  -  []  175.8 174.36 90 top
NOREF#1678  -  []  399.39 161.74 0 top
NOREF#1679  -  []  379 288.57 90 top
NOREF#1680  -  []  184.47 187.92 90 top
NOREF#1681  -  []  407.71 217.61 0 top
NOREF#1682  -  []  478.57 291.28 90 top
NOREF#1683  -  []  397.57 131.89 0 top
NOREF#1684  -  []  394.66 242.38 90 top
NOREF#1685  -  []  352.55 185.18 0 top
NOREF#1686  -  []  451.68 214.96 0 top
NOREF#1687  -  []  261.63 173.83 90 top
NOREF#1688  -  []  252.51 204.35 90 top
NOREF#1689  -  []  251.62 205.56 90 top
NOREF#1690  -  []  275.28 290.13 90 top
NOREF#1691  -  []  326.43 288.31 90 top
NOREF#1692  -  []  219.81 213.69 90 top
NOREF#1693  -  []  118.7 217.73 90 top
NOREF#1694  -  []  383.01 139.89 0 top
NOREF#1695  -  []  331.22 193.63 0 top
NOREF#1696  -  []  217.71 276.09 0 top
NOREF#1697  -  []  310.43 247.61 90 top
NOREF#1698  -  []  218.13 214.06 90 top
NOREF#1699  -  []  371.73 273.11 0 top
NOREF#1700  -  []  311.15 159.63 90 top
NOREF#1701  -  []  340.83 174.63 90 top
NOREF#1702  -  []  221.56 239.06 0 top
NOREF#1703  -  []  263.95 223.52 90 top
NOREF#1704  -  []  253.4 264.35 90 top
NOREF#1705  -  []  182.57 199.39 90 top
NOREF#1706  -  []  83.77 247.51 90 top
NOREF#1707  -  []  378.33 241.11 90 top
NOREF#1708  -  []  388.43 146.88 0 top
NOREF#1709  -  []  334.29 204.35 90 top
NOREF#1710  -  []  412.37 265.37 0 top
NOREF#1711  -  []  346.08 296.86 0 top
NOREF#1712  -  []  201.66 199.99 90 top
NOREF#1713  -  []  239.33 183.63 90 top
NOREF#1714  -  []  257.09 164.74 90 top
NOREF#1715  -  []  177.33 146.68 90 top
NOREF#1716  -  []  389.7 209.36 0 top
NOREF#1717  -  []  115.36 235.64 90 top
NOREF#1718  -  []  251.94 204.65 90 top
NOREF#1719  -  []  417.7 146.88 0 top
NOREF#1720  -  []  453.88 214.96 0 top
NOREF#1721  -  []  341.63 255.43 90 top
NOREF#1722  -  []  343.98 288.86 0 top
NOREF#1723  -  []  124.35 195.15 0 top
NOREF#1724  -  []  310.41 193.37 90 top
NOREF#1725  -  []  93.76 271.33 90 top
NOREF#1726  -  []  229.51 189.2 0 top
NOREF#1727  -  []  404.4 257.42 90 top
NOREF#1728  -  []  247.25 205.56 0 top
NOREF#1729  -  []  321.82 167.13 90 top
NOREF#1730  -  []  389.7 209.36 0 top
NOREF#1731  -  []  351.34 245.18 0 top
NOREF#1732  -  []  182.82 257.62 90 top
NOREF#1733  -  []  383.09 241.11 0 top
NOREF#1734  -  []  168.13 227.17 90 top
NOREF#1735  -  []  352.25 249.82 0 top
NOREF#1736  -  []  368.28 297.12 0 top
NOREF#1737  -  []  127.59 211.59 90 top
NOREF#1738  -  []  184.47 165.4 90 top
NOREF#1739  -  []  388.43 163.64 0 top
NOREF#1740  -  []  298.16 177.06 0 top
NOREF#1741  -  []  118.45 239.39 0 top
NOREF#1742  -  []  318.3 164.74 90 top
NOREF#1743  -  []  201.21 273.5 90 top
NOREF#1744  -  []  166.06 257.62 90 top
NOREF#1745  -  []  465.45 290.38 90 top
NOREF#1746  -  []  257.9 186.35 90 top
NOREF#1747  -  []  310.43 183.09 90 top
NOREF#1748  -  []  124.35 187.53 0 top
NOREF#1749  -  []  303.15 211.32 90 top
NOREF#1750  -  []  375.73 193.43 90 top
NOREF#1751  -  []  413.51 207.71 90 top
NOREF#1752  -  []  400.54 171.64 0 top
NOREF#1753  -  []  310.73 246.66 0 top
NOREF#1754  -  []  104.18 191.95 90 top
NOREF#1755  -  []  337.09 224.74 90 top
NOREF#1756  -  []  330.74 164.74 0 top
NOREF#1757  -  []  272.24 181.05 90 top
NOREF#1758  -  []  380.59 222.95 0 top
NOREF#1759  -  []  230.43 246.34 0 top
NOREF#1760  -  []  331.38 164.74 90 top
NOREF#1761  -  []  310.43 186.34 0 top
NOREF#1762  -  []  369.38 224.6 0 top
NOREF#1763  -  []  249.28 225.04 90 top
NOREF#1764  -  []  309.21 186.34 0 top
NOREF#1765  -  []  272.25 185.5 0 top
NOREF#1766  -  []  329.28 223.82 90 top
NOREF#1767  -  []  385.19 281.11 0 top
NOREF#1768  -  []  381.2 258.38 90 top
NOREF#1769  -  []  298.16 188.49 0 top
NOREF#1770  -  []  351.04 241.69 0 top
NOREF#1771  -  []  184.47 233.47 90 top
NOREF#1772  -  []  420.88 129.99 90 top
NOREF#1773  -  []  473.79 196.21 0 top
NOREF#1774  -  []  167.7 244.98 90 top
NOREF#1775  -  []  396.55 225.11 0 top
NOREF#1776  -  []  400.85 297.12 0 top
NOREF#1777  -  []  343.98 288.86 0 top
NOREF#1778  -  []  448.94 290.38 90 top
NOREF#1779  -  []  404.15 225.11 0 top
NOREF#1780  -  []  113.08 129.54 0 top
NOREF#1781  -  []  201.23 227.72 90 top
NOREF#1782  -  []  182.82 216.47 90 top
NOREF#1783  -  []  209.23 222.95 90 top
NOREF#1784  -  []  392.24 193.43 0 top
NOREF#1785  -  []  334.61 265.86 90 top
NOREF#1786  -  []  343.83 171.63 90 top
NOREF#1787  -  []  209.23 195.52 90 top
NOREF#1788  -  []  318.32 131.64 0 top
NOREF#1789  -  []  84.04 287.84 90 top
NOREF#1790  -  []  329.85 164.74 0 top
NOREF#1791  -  []  459.28 227 0 top
NOREF#1792  -  []  405.93 272.56 90 top
NOREF#1793  -  []  251.06 163.82 90 top
NOREF#1794  -  []  326.23 173.13 0 top
NOREF#1795  -  []  165.8 226.57 90 top
NOREF#1796  -  []  230.43 187.61 0 top
NOREF#1797  -  []  254.29 264.35 90 top
NOREF#1798  -  []  216.96 180.71 0 top
NOREF#1799  -  []  320.83 194.63 0 top
NOREF#1800  -  []  387.2 207.46 0 top
NOREF#1801  -  []  194.09 187.32 90 top
NOREF#1802  -  []  251.06 225.04 90 top
NOREF#1803  -  []  250.73 264.35 90 top
NOREF#1804  -  []  310.73 253.69 0 top
NOREF#1805  -  []  368.03 249.11 0 top
NOREF#1806  -  []  251.62 205.55 0 top
NOREF#1807  -  []  201.49 173.11 90 top
NOREF#1808  -  []  225.83 264.31 0 top
NOREF#1809  -  []  250.5 288.86 0 top
NOREF#1810  -  []  199.84 148.65 90 top
NOREF#1811  -  []  300.36 237.06 0 top
NOREF#1812  -  []  383.73 198.08 90 top
NOREF#1813  -  []  263.63 225.04 90 top
NOREF#1814  -  []  378.58 289.12 90 top
NOREF#1815  -  []  93.76 273.87 90 top
NOREF#1816  -  []  351.34 182.64 0 top
NOREF#1817  -  []  66.26 273.87 90 top
NOREF#1818  -  []  218.16 248.49 0 top
NOREF#1819  -  []  271.34 243.91 0 top
NOREF#1820  -  []  405.5 241.11 90 top
NOREF#1821  -  []  396.03 163.64 0 top
NOREF#1822  -  []  200.98 255.15 0 top
NOREF#1823  -  []  418.63 131.94 90 top
NOREF#1824  -  []  404.15 273.11 0 top
NOREF#1825  -  []  375.73 199.18 90 top
NOREF#1826  -  []  128.21 178.64 0 top
NOREF#1827  -  []  168.13 186.02 90 top
NOREF#1828  -  []  298.13 274.06 0 top
NOREF#1829  -  []  172.08 291.65 90 top
NOREF#1830  -  []  306.71 131.64 0 top
NOREF#1831  -  []  352.25 184.23 0 top
NOREF#1832  -  []  182.57 185.42 90 top
NOREF#1833  -  []  384.59 162.84 90 top
NOREF#1834  -  []  406.65 223.21 90 top
NOREF#1835  -  []  175.8 160.9 90 top
NOREF#1836  -  []  418.12 273.37 0 top
NOREF#1837  -  []  108.01 195.15 0 top
NOREF#1838  -  []  394.05 255.47 0 top
NOREF#1839  -  []  199.33 212.85 90 top
NOREF#1840  -  []  117.01 234.24 90 top
NOREF#1841  -  []  371.73 289.12 0 top
NOREF#1842  -  []  342.68 223.52 90 top
NOREF#1843  -  []  329.85 224.74 0 top
NOREF#1844  -  []  304.65 211.67 0 top
NOREF#1845  -  []  334.81 296.86 0 top
NOREF#1846  -  []  386.46 131.89 0 top
NOREF#1847  -  []  402.14 146.88 0 top
NOREF#1848  -  []  230.41 193.37 90 top
NOREF#1849  -  []  313.98 143.89 90 top
NOREF#1850  -  []  352.25 182.96 0 top
NOREF#1851  -  []  184.47 214 0 top
NOREF#1852  -  []  120.24 171.1 0 top
NOREF#1853  -  []  298.16 237.06 0 top
NOREF#1854  -  []  478.57 259.9 90 top
NOREF#1855  -  []  103.93 235.64 90 top
NOREF#1856  -  []  240.5 288.61 0 top
NOREF#1857  -  []  412.79 209.16 90 top
NOREF#1858  -  []  210.86 201.29 90 top
NOREF#1859  -  []  108.27 178.64 0 top
NOREF#1860  -  []  215.96 177.06 0 top
NOREF#1861  -  []  334.29 265.56 0 top
NOREF#1862  -  []  251.38 223.52 90 top
NOREF#1863  -  []  379.01 272.66 90 top
NOREF#1864  -  []  417.2 171.64 0 top
NOREF#1865  -  []  336.45 224.74 0 top
NOREF#1866  -  []  339.89 288.31 90 top
NOREF#1867  -  []  201.23 214 0 top
NOREF#1868  -  []  459.28 211.76 90 top
NOREF#1869  -  []  249.6 163.52 90 top
NOREF#1870  -  []  332.51 265.56 0 top
NOREF#1871  -  []  317.98 223.82 90 top
NOREF#1872  -  []  118.45 226.62 90 top
NOREF#1873  -  []  167.7 178.86 90 top
NOREF#1874  -  []  272.24 189.18 90 top
NOREF#1875  -  []  192.47 216.45 90 top
NOREF#1876  -  []  312.46 144.39 90 top
NOREF#1877  -  []  310.43 253.37 0 top
NOREF#1878  -  []  377.48 273.16 90 top
NOREF#1879  -  []  303.84 288.86 0 top
NOREF#1880  -  []  410.27 257.37 0 top
NOREF#1881  -  []  208.98 259.8 90 top
NOREF#1882  -  []  451.68 195.91 0 top
NOREF#1883  -  []  303.84 288.86 0 top
NOREF#1884  -  []  239.33 243.63 90 top
NOREF#1885  -  []  112.41 222.33 0 top
NOREF#1886  -  []  415.61 185.72 90 top
NOREF#1887  -  []  338.36 288.91 90 top
NOREF#1888  -  []  495.08 257.36 90 top
NOREF#1889  -  []  477.24 195.66 0 top
NOREF#1890  -  []  462.06 274.77 90 top
NOREF#1891  -  []  272.24 182.32 90 top
NOREF#1892  -  []  251.94 264.65 90 top
NOREF#1893  -  []  336.77 165.04 90 top
NOREF#1894  -  []  106.36 190.55 0 top
NOREF#1895  -  []  301.56 171.46 0 top
NOREF#1896  -  []  263.63 165.04 90 top
NOREF#1897  -  []  478.57 277.31 90 top
NOREF#1898  -  []  340.83 234.63 90 top
NOREF#1899  -  []  247.57 264.65 90 top
NOREF#1900  -  []  217.41 213.24 90 top
NOREF#1901  -  []  253.53 140.14 0 top
NOREF#1902  -  []  220.36 248.49 0 top
NOREF#1903  -  []  330.73 265.56 90 top
NOREF#1904  -  []  168.13 172.56 90 top
NOREF#1905  -  []  192.47 164.3 90 top
NOREF#1906  -  []  306.85 211.67 0 top
NOREF#1907  -  []  317.83 197.63 0 top
NOREF#1908  -  []  329.85 164.72 0 top
NOREF#1909  -  []  369.63 289.12 0 top
NOREF#1910  -  []  201.49 165.4 90 top
NOREF#1911  -  []  284.77 288.86 0 top
NOREF#1912  -  []  322.23 233.13 0 top
NOREF#1913  -  []  403.99 171.64 0 top
NOREF#1914  -  []  215.96 177.06 0 top
NOREF#1915  -  []  182.82 148.4 90 top
NOREF#1916  -  []  313.98 131.09 90 top
NOREF#1917  -  []  483.04 239.09 0 top
NOREF#1918  -  []  241.6 296.61 0 top
NOREF#1919  -  []  192.47 230.17 90 top
NOREF#1920  -  []  375.22 180.15 0 top
NOREF#1921  -  []  396.55 241.11 0 top
NOREF#1922  -  []  450.03 234.74 0 top
NOREF#1923  -  []  314.71 142.44 90 top
NOREF#1924  -  []  369.38 257.11 0 top
NOREF#1925  -  []  385.19 273.11 0 top
NOREF#1926  -  []  84.04 290.38 90 top
NOREF#1927  -  []  167.7 187.92 90 top
NOREF#1928  -  []  473.7 219.66 90 top
NOREF#1929  -  []  451.68 239.34 0 top
NOREF#1930  -  []  234.33 168.13 90 top
NOREF#1931  -  []  306.83 209.63 90 top
NOREF#1932  -  []  254.29 265.56 0 top
NOREF#1933  -  []  110.21 214.71 0 top
NOREF#1934  -  []  201.23 186.57 90 top
NOREF#1935  -  []  472.86 166.93 90 top
NOREF#1936  -  []  409.74 146.88 0 top
NOREF#1937  -  []  424.05 163.64 90 top
NOREF#1938  -  []  383.09 273.11 0 top
NOREF#1939  -  []  343.2 232.26 90 top
NOREF#1940  -  []  271.04 244.23 0 top
NOREF#1941  -  []  118.33 286.94 90 top
NOREF#1942  -  []  341.63 233.83 90 top
NOREF#1943  -  []  296.96 252.14 0 top
NOREF#1944  -  []  400.24 198.08 90 top
NOREF#1945  -  []  266.74 143.19 0 top
NOREF#1946  -  []  277.17 288.86 0 top
NOREF#1947  -  []  339.65 264.65 90 top
NOREF#1948  -  []  387.39 297.12 0 top
NOREF#1949  -  []  315.16 290.13 90 top
NOREF#1950  -  []  393.19 222.95 90 top
NOREF#1951  -  []  368.03 265.11 0 top
NOREF#1952  -  []  331.54 192.73 90 top
NOREF#1953  -  []  448.94 276.41 90 top
NOREF#1954  -  []  304.61 131.64 0 top
NOREF#1955  -  []  419.9 240.66 90 top
NOREF#1956  -  []  271.04 182.96 0 top
NOREF#1957  -  []  175.7 137.37 90 top
NOREF#1958  -  []  388.43 180.15 0 top
NOREF#1959  -  []  250.18 182.88 0 top
NOREF#1960  -  []  339.33 265.55 0 top
NOREF#1961  -  []  165.8 254 90 top
NOREF#1962  -  []  373.68 265.11 0 top
NOREF#1963  -  []  451.68 186.77 0 top
NOREF#1964  -  []  328.33 187.93 0 top
NOREF#1965  -  []  66.26 271.33 90 top
NOREF#1966  -  []  272.55 182.64 0 top
NOREF#1967  -  []  310.73 193.69 0 top
NOREF#1968  -  []  165.8 240.28 90 top
NOREF#1969  -  []  299.59 288.86 90 top
NOREF#1970  -  []  175.7 175.56 90 top
NOREF#1971  -  []  262.04 164.72 0 top
NOREF#1972  -  []  184.47 186.57 90 top
NOREF#1973  -  []  110.47 171.02 0 top
NOREF#1974  -  []  124.64 171.1 0 top
NOREF#1975  -  []  182.82 243.9 90 top
NOREF#1976  -  []  459.28 183.57 0 top
NOREF#1977  -  []  108.01 195.15 0 top
NOREF#1978  -  []  230.41 186.34 90 top
NOREF#1979  -  []  332.51 204.35 90 top
NOREF#1980  -  []  465.81 171.53 0 top
NOREF#1981  -  []  119.95 195.15 0 top
NOREF#1982  -  []  175.7 162.1 90 top
NOREF#1983  -  []  175.8 256.4 90 top
NOREF#1984  -  []  229.21 193.37 0 top
NOREF#1985  -  []  418.37 241.16 90 top
NOREF#1986  -  []  251.86 252.43 90 top
NOREF#1987  -  []  260.99 143.19 0 top
NOREF#1988  -  []  313.98 143.79 90 top
NOREF#1989  -  []  252.43 132.14 0 top
NOREF#1990  -  []  352.24 243.59 90 top
NOREF#1991  -  []  309.51 187.93 0 top
NOREF#1992  -  []  229.21 243.09 0 top
NOREF#1993  -  []  298.13 214.06 0 top
NOREF#1994  -  []  310.41 188.88 90 top
NOREF#1995  -  []  230.43 253.37 90 top
NOREF#1996  -  []  230.73 247.93 0 top
NOREF#1997  -  []  168.13 159.1 90 top
NOREF#1998  -  []  221.56 190.49 0 top
NOREF#1999  -  []  237.66 224.74 0 top
NOREF#2000  -  []  377.32 163.39 0 top
NOREF#2001  -  []  258.61 131.69 90 top
NOREF#2002  -  []  251.62 204.35 90 top
NOREF#2003  -  []  310.43 193.37 90 top
NOREF#2004  -  []  192.47 168.6 90 top
NOREF#2005  -  []  310.43 183.09 0 top
NOREF#2006  -  []  342.68 164.74 90 top
NOREF#2007  -  []  248.96 224.72 0 top
NOREF#2008  -  []  396.55 273.11 0 top
NOREF#2009  -  []  309.21 188.88 0 top
NOREF#2010  -  []  403.99 188.15 0 top
NOREF#2011  -  []  201.23 192.32 90 top
NOREF#2012  -  []  184.47 163.2 90 top
NOREF#2013  -  []  282.9 147.38 0 top
NOREF#2014  -  []  340.61 286.96 90 top
NOREF#2015  -  []  465.81 214.96 0 top
NOREF#2016  -  []  229.21 188.88 0 top
NOREF#2017  -  []  397.55 209.41 90 top
NOREF#2018  -  []  263.83 231.63 90 top
NOREF#2019  -  []  118.45 231.77 0 top
NOREF#2020  -  []  463.11 230.2 0 top
NOREF#2021  -  []  383.09 289.12 0 top
NOREF#2022  -  []  247.89 204.35 90 top
NOREF#2023  -  []  309.21 246.34 0 top
NOREF#2024  -  []  107.02 171.57 0 top
NOREF#2025  -  []  201.23 233.47 90 top
NOREF#2026  -  []  229.51 183.41 0 top
NOREF#2027  -  []  192.57 228.97 90 top
NOREF#2028  -  []  254.29 265.55 0 top
NOREF#2029  -  []  199.59 203.01 90 top
NOREF#2030  -  []  397.8 146.43 90 top
NOREF#2031  -  []  468.68 129.54 0 top
NOREF#2032  -  []  473.79 191.06 90 top
NOREF#2033  -  []  405.93 288.57 90 top
NOREF#2034  -  []  253.72 264.65 90 top
NOREF#2035  -  []  388.66 139.89 0 top
NOREF#2036  -  []  175.7 135.17 90 top
NOREF#2037  -  []  253.72 205.86 90 top
NOREF#2038  -  []  398.53 144.98 90 top
NOREF#2039  -  []  495.08 277.31 90 top
NOREF#2040  -  []  396.28 146.93 90 top
NOREF#2041  -  []  410.27 257.37 0 top
NOREF#2042  -  []  392.04 241.11 90 top
NOREF#2043  -  []  265.64 280.1 0 top
NOREF#2044  -  []  209.23 216.45 90 top
NOREF#2045  -  []  184.47 255.15 90 top
NOREF#2046  -  []  385.19 241.11 0 top
NOREF#2047  -  []  404.24 154.88 0 top
NOREF#2048  -  []  251.62 265.56 90 top
NOREF#2049  -  []  404.15 289.12 0 top
NOREF#2050  -  []  413.2 164.91 90 top
NOREF#2051  -  []  373.32 181.42 90 top
NOREF#2052  -  []  184.47 247.18 90 top
NOREF#2053  -  []  235.85 296.61 0 top
NOREF#2054  -  []  381.2 274.38 90 top
NOREF#2055  -  []  369.63 273.11 0 top
NOREF#2056  -  []  402.06 217.61 0 top
NOREF#2057  -  []  272.24 241.05 90 top
NOREF#2058  -  []  121.9 231.22 0 top
NOREF#2059  -  []  394.05 223.21 0 top
NOREF#2060  -  []  230.43 247.61 90 top
NOREF#2061  -  []  247.57 205.86 90 top
NOREF#2062  -  []  175.8 201.79 90 top
NOREF#2063  -  []  254.29 265.56 90 top
NOREF#2064  -  []  354.27 134.07 90 top
NOREF#2065  -  []  264.29 272.1 90 top
NOREF#2066  -  []  182.57 144.78 0 top
NOREF#2067  -  []  396.55 273.11 0 top
NOREF#2068  -  []  380.59 255.21 0 top
NOREF#2069  -  []  201.49 165.4 90 top
NOREF#2070  -  []  249.28 165.04 90 top
NOREF#2071  -  []  112.05 246.78 90 top
NOREF#2072  -  []  167.7 186.57 90 top
NOREF#2073  -  []  511.59 276.41 90 top
NOREF#2074  -  []  271.34 242.64 0 top
NOREF#2075  -  []  220.36 188.49 0 top
NOREF#2076  -  []  182.57 158.5 0 top
NOREF#2077  -  []  223.56 233.86 90 top
NOREF#2078  -  []  396.28 180.2 90 top
NOREF#2079  -  []  108.01 222.33 0 top
NOREF#2080  -  []  379.52 171.39 0 top
NOREF#2081  -  []  175.7 154.88 90 top
NOREF#2082  -  []  168.13 132.17 90 top
NOREF#2083  -  []  293.66 272.15 90 top
NOREF#2084  -  []  375.22 163.39 0 top
NOREF#2085  -  []  216.96 252.14 0 top
NOREF#2086  -  []  257.9 246.35 90 top
NOREF#2087  -  []  272.25 182.32 90 top
NOREF#2088  -  []  304.65 271.67 0 top
NOREF#2089  -  []  230.43 243.09 90 top
NOREF#2090  -  []  381.74 265.11 0 top
NOREF#2091  -  []  239.33 176.03 0 top
NOREF#2092  -  []  165.8 144.78 0 top
NOREF#2093  -  []  230.43 246.34 90 top
NOREF#2094  -  []  448.94 292.92 90 top
NOREF#2095  -  []  295.96 248.49 0 top
NOREF#2096  -  []  375.73 196.98 90 top
NOREF#2097  -  []  343.31 164.72 0 top
NOREF#2098  -  []  184.47 165.4 90 top
NOREF#2099  -  []  263.71 288.86 0 top
NOREF#2100  -  []  471.21 211.76 0 top
NOREF#2101  -  []  250.5 288.86 0 top
NOREF#2102  -  []  167.7 147.28 90 top
NOREF#2103  -  []  372.72 161.49 0 top
NOREF#2104  -  []  165.8 131.57 0 top
NOREF#2105  -  []  327.25 204.35 90 top
NOREF#2106  -  []  192.47 205.19 90 top
NOREF#2107  -  []  459.24 175.86 90 top
NOREF#2108  -  []  313.56 131.64 90 top
NOREF#2109  -  []  339.97 264.35 90 top
NOREF#2110  -  []  406.95 131.44 90 top
NOREF#2111  -  []  250.49 163.52 90 top
NOREF#2112  -  []  224.65 211.67 0 top
NOREF#2113  -  []  472.86 217.98 90 top
NOREF#2114  -  []  341.48 286.96 0 top
NOREF#2115  -  []  342.36 225.04 90 top
NOREF#2116  -  []  331.54 252.73 90 top
NOREF#2117  -  []  182.57 171.96 0 top
NOREF#2118  -  []  501.87 276.41 90 top
NOREF#2119  -  []  247.25 264.35 90 top
NOREF#2120  -  []  200.98 260.9 90 top
NOREF#2121  -  []  222.11 192.14 0 top
NOREF#2122  -  []  263.14 282 0 top
NOREF#2123  -  []  373.93 281.11 0 top
NOREF#2124  -  []  272.25 189.18 90 top
NOREF#2125  -  []  392.04 257.11 90 top
NOREF#2126  -  []  408.63 274.64 90 top
NOREF#2127  -  []  115.87 167.82 90 top
NOREF#2128  -  []  167.7 260.9 90 top
NOREF#2129  -  []  329.85 224.72 0 top
NOREF#2130  -  []  272.24 249.18 90 top
NOREF#2131  -  []  528.1 276.41 90 top
NOREF#2132  -  []  261.63 195.43 90 top
NOREF#2133  -  []  310.73 183.41 0 top
NOREF#2134  -  []  403.41 209.61 0 top
NOREF#2135  -  []  230.43 188.88 90 top
NOREF#2136  -  []  115.61 191.95 0 top
NOREF#2137  -  []  405.5 273.11 90 top
NOREF#2138  -  []  192.47 246.08 90 top
NOREF#2139  -  []  263.95 224.74 90 top
NOREF#2140  -  []  241.6 296.61 0 top
NOREF#2141  -  []  385.19 224.85 0 top
NOREF#2142  -  []  199.33 257.62 90 top
NOREF#2143  -  []  333.4 265.55 0 top
NOREF#2144  -  []  461.96 217.98 0 top
NOREF#2145  -  []  451.64 222.5 0 top
NOREF#2146  -  []  246.23 173.13 0 top
NOREF#2147  -  []  272.24 243.59 90 top
NOREF#2148  -  []  209.08 256.4 90 top
NOREF#2149  -  []  398.65 273.11 0 top
NOREF#2150  -  []  272.24 242.32 90 top
NOREF#2151  -  []  310.43 253.37 90 top
NOREF#2152  -  []  284.36 272.1 90 top
NOREF#2153  -  []  326.43 288.41 90 top
NOREF#2154  -  []  411.26 209.66 90 top
NOREF#2155  -  []  250.17 165.04 90 top
NOREF#2156  -  []  382.82 180.15 0 top
NOREF#2157  -  []  333.4 265.56 90 top
NOREF#2158  -  []  409.49 180.15 0 top
NOREF#2159  -  []  226.85 271.67 0 top
NOREF#2160  -  []  418.37 273.42 90 top
